# Altium PCB SMT 4.0.PcbDoc (part 1 of 3)
Units mm, origin at the board's own origin, x right, y up, seen from the top; angles counter-clockwise.
Board outline 220 x 90 mm, 2 copper layers (Top Layer, Bottom Layer); 192 components, 69 nets, 761 pads, 236 vias.
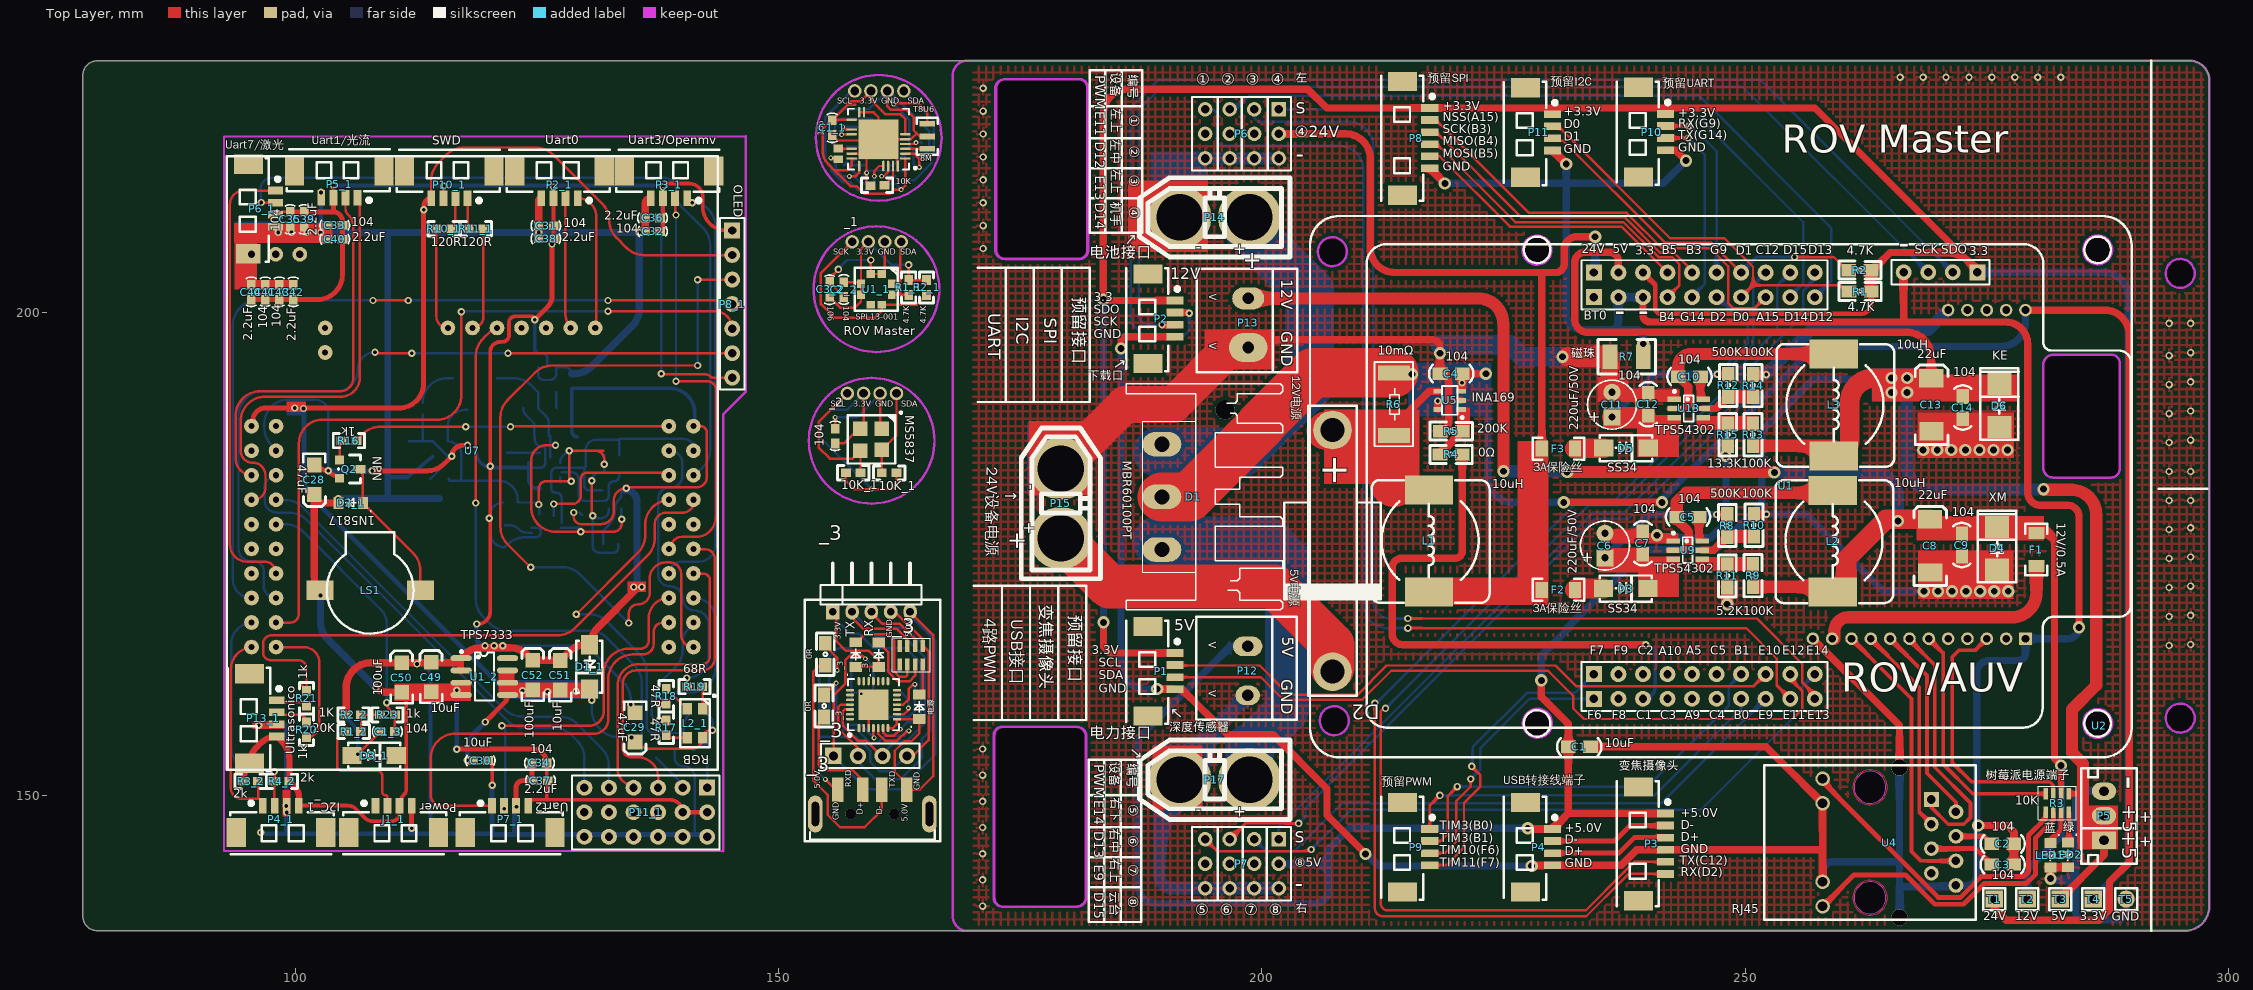
[diagram p0: Top Layer view]
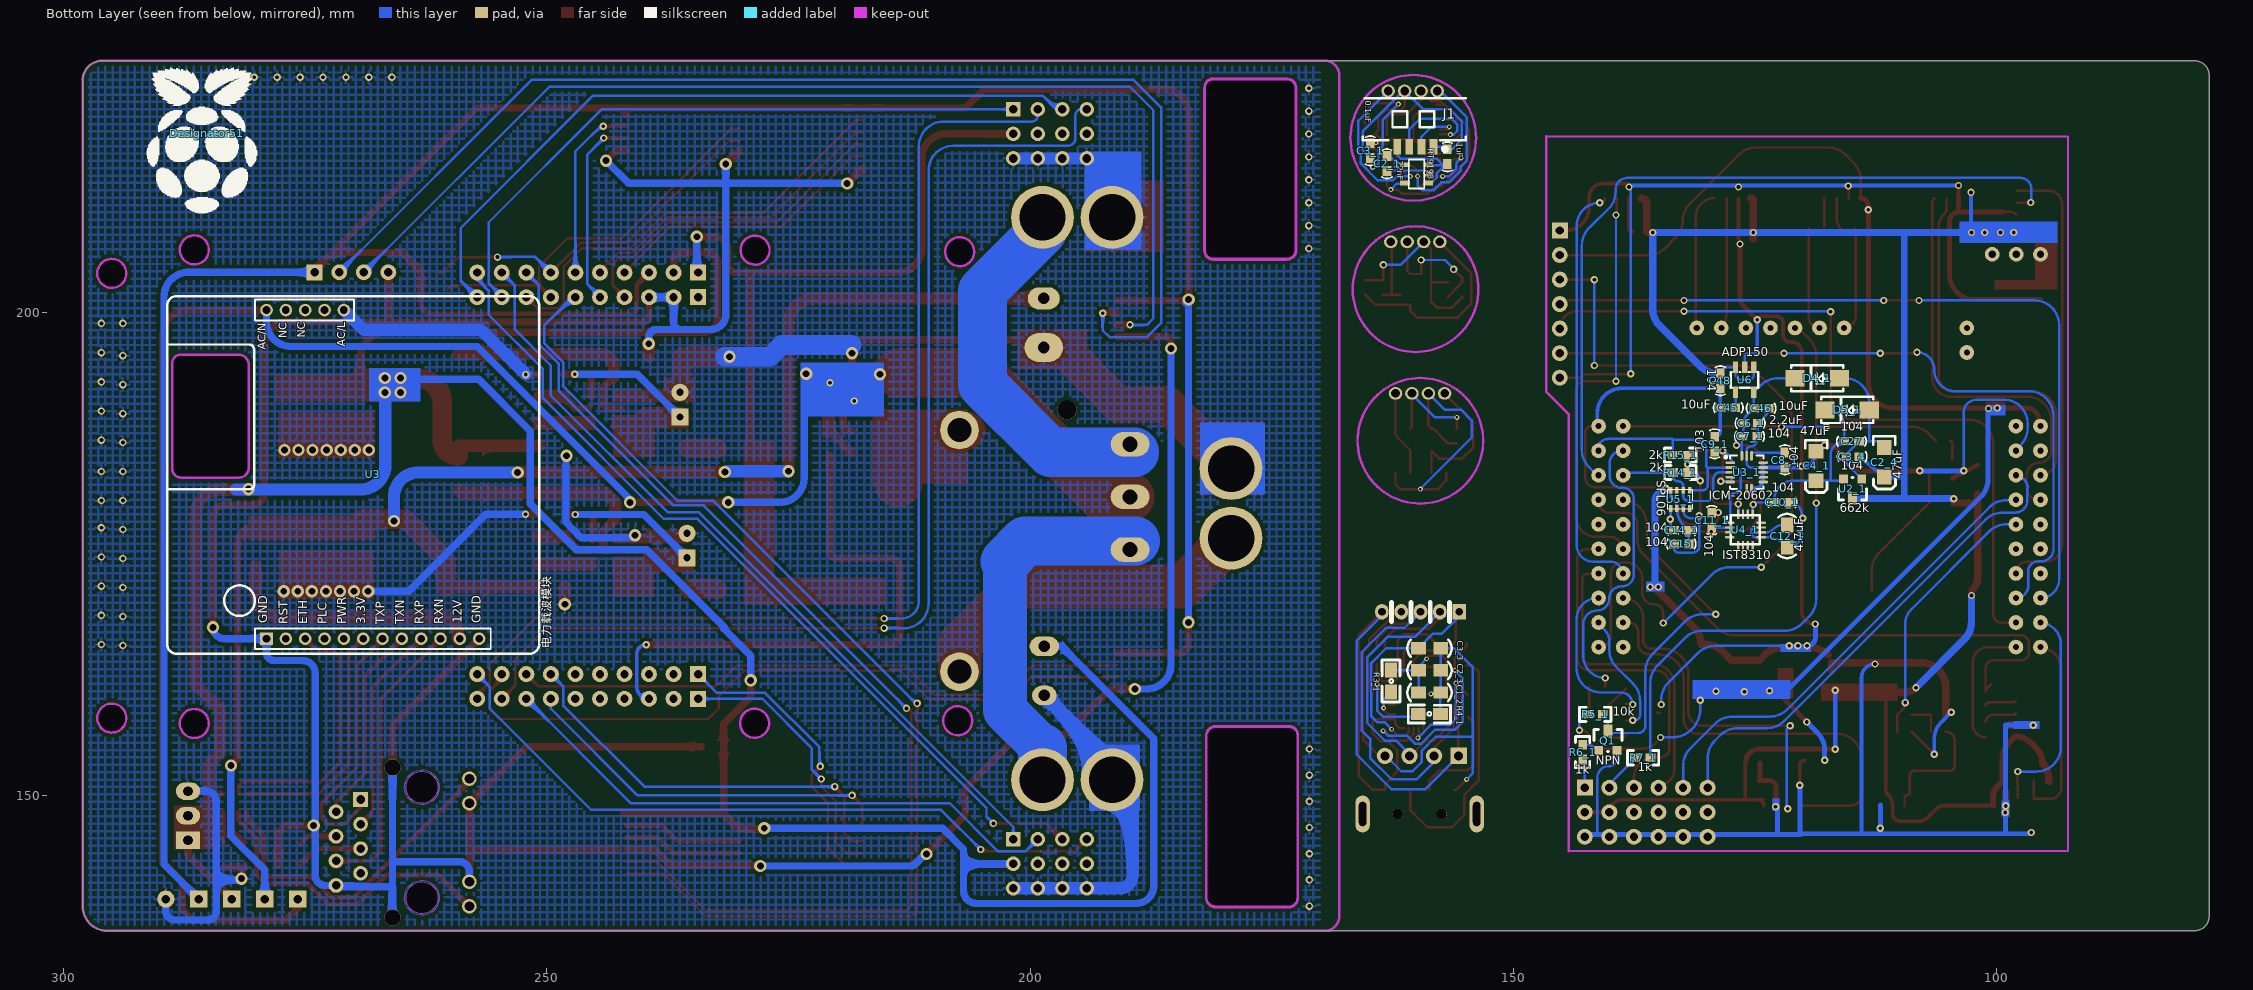
[diagram p1: Bottom Layer view, seen from below]

## Layer stack, top to bottom
Top Solder: solder mask 0.0102, Solder Resist, Dk 3.5
Top Layer: signal copper 0.0356
Dielectric 1: dielectric 0.32, FR-4, Dk 4.8
Bottom Layer: signal copper 0.0356
Bottom Solder: solder mask 0.0102, Solder Resist, Dk 3.5

## Board outline
79.5,136 cw(c79.5,137.5) 78,137.5 78,224.5 cw(c79.5,224.5) 79.5,226 296,226 cw(c296,224) 298,224 298,138.5 cw(c295.5,138.5) 295.5,136
cut-out: 293.5,204 ccw(c295,204) 295,202.5 ccw(c295,204) 296.5,204 ccw(c295,204) 295,205.5 ccw(c295,204)
cut-out: 293.5,158 ccw(c295,158) 295,156.5 ccw(c295,158) 296.5,158 ccw(c295,158) 295,159.5 ccw(c295,158)
cut-out: 172.191,139.367 172.191,156.259 cw(c172.318,156.259) 172.192,156.272 cw(c173.157,156.234) 173.157,157.2 180.828,157.2 cw(c180.828,156.147) 181.866,156.316 cw(c181.753,156.259) 181.88,156.259 181.88,139.434 cw(c180.813,139.434) 180.813,138.366 173.192,138.366 cw(c173.192,139.367)
cut-out: 173.415,205.385 cw(c173.415,206.438) 172.377,206.269 cw(c172.49,206.326) 172.363,206.326 172.363,223.151 cw(c173.43,223.151) 173.43,224.219 181.051,224.219 cw(c181.051,223.218) 182.052,223.218 182.052,206.326 cw(c181.925,206.326) 182.051,206.313 cw(c181.086,206.351) 181.086,205.385
cut-out: 205.975,157.725 cw(c207.475,157.725) 207.475,159.225 cw(c207.475,157.725) 208.975,157.725 cw(c207.475,157.725) 207.475,156.225 cw(c207.475,157.725)
cut-out: 205.782,206.296 ccw(c207.282,206.296) 207.282,204.796 ccw(c207.282,206.296) 208.782,206.296 ccw(c207.282,206.296) 207.282,207.796 ccw(c207.282,206.296)

## Design rules (kind name [scope] priority, off if disabled: settings)
Clearance [All] p1: gap=0.203
ComponentClearance [All] p1: gap=0 collisioncheckmode=3 verticalgap=0 showdistances=FALSE
DiffPairsRouting [All] p1: maxlimit=0.254 minlimit=0.254 mostfreqgap=0.254 toplayer_minwidth=0.381 toplayer_maxwidth=0.381 toplayer_prefwidth=0.381 bottomlayer_minwidth=0.381 bottomlayer_maxwidth=0.381 bottomlayer_prefwidth=0.381 maxuncoupledlength=12.7
PolygonConnect [All] p1: connectstyle=Relief reliefconductorwidth=0.254 reliefentries=4 polygonreliefangle="90 Angle" airgapwidth=0.254
RoutingVias [All] p1: holewidth=0.711 width=1.27 viastyle="Through Hole" minholewidth=0.711 minwidth=1.27 maxholewidth=0.711 maxwidth=1.27
SolderMaskExpansion [All] p1: expansion=0.102
Width [All] p1: maxlimit=5.08 minlimit=0.254 preferedwidth=0.254
28 further rules are at their usual default settings.

## Classes and differential pairs
component class "Robot-Control V4.0": C1 C2 C3 F1 LED1 LED2 P1 P2 P3 P4 P5 P6 P7 P8 P9 P10 P11 P12 P13 R1 R2 R3 U1 U2 U3 U4
component class "Robot-Power V4.0": C3 C5 C6 C7 C8 C9 C10 C11 C12 C13 C14 D1 D3 D4 D5 D6 F2 F3 L1 L2 L3 P14 P15 P17 R4 R5 R6 R7 R8 R9 R10 R11 R12 R13 R14 R15 T1 T2 T3 T4 T5 U5 U8 U9 U10 U11 U13 U?
differential pair EPHY_RX: +EPHY_RX_P -EPHY_RX_N
differential pair EPHY_TX: +EPHY_TX_P -EPHY_TX_N

## Components (designator, comment, footprint, x,y, rotation, side; value= is the part's Value field where it differs from the comment)
0R "0R" 0805R 154.834,163.572 r90 top
0R "0R" 0805R 154.706,158.221 r90 top
1uF "1uF" 0603C 149.655,214.384 r270 bottom (schematic designator C4)
8M "8M_XT_SMD3" 三脚贴片8M晶振1.5*3.5 167.159,216.848 r90 top (schematic designator XT1)
10K "10K" 0603R#1 159.464,213.159 r0 top (schematic designator R2)
10K_1 "4.2K" 0603R#2 158.426,183.363 r180 top (schematic designator R1)
10K_1 "4.2K" 0603R#2 160.712,183.388 r0 top (schematic designator R2)
104 "100uF" 0603C 148.673,188.875 r90 top (schematic designator C1)
_1 "连接端子" 连接端子 160.134,206.18 r0 top (schematic designator U3)
_2 "连接端子" 连接端子 159.642,190.501 r0 top (schematic designator U1)
_3 "CP2102" QFN-28 157.882,157.48 r90 top
_3 "Res-4" 排阻(4位贴片) 162.526,163.599 r90 top
_3 "LED" 0805LED(GREEN) 160.294,163.318 r90 top
_3 "LED" 0805LED(GREEN) 157.918,163.346 r90 top
_3 "USB-A" USB_A/P_B 163.231,150.583 r0 top
_3 "Pin HDR1X5" "Pin HDR1X5/2mm-W" 155.589,168.99 r0 top
_3 "Header 4" "Header 4(排母)" 155.624,154.067 r0 top
C1 "10uF" 0805C 233.858,155.042 r180 top
C1_1 "105" 0603C 162.703,217.387 r270 top (schematic designator C1)
C1_2 "226" 0805C 157.644,160.645 r0 bottom (schematic designator C1)
C1_3 "104" 0603C 107.85,149.441 r180 top (schematic designator C1)
C2 "104" 0805C 277.659,145 r180 top
C2_1 "22nF" 0603C 155.901,213.672 r270 bottom (schematic designator C2)
C2_2 "104" 0603C 149.571,204.021 r90 top (schematic designator C2)
C2_3 "104" 0805C 157.644,162.941 r0 bottom (schematic designator C2)
C2_4 "47uF" TAJ-A 111.609,182.944 r270 bottom (schematic designator C2)
C3 "104" 0805C 277.659,142.841 r180 top
C3_1 "0.1uF" 0603C 157.638,215.012 r270 bottom (schematic designator C3)
C3_2 "106" 0603C 162.423,200.642 r270 top (schematic designator C3)
C3_3 "104" 0805C 157.644,165.236 r0 bottom (schematic designator C3)
C3_4 "104" 0603C 113.26,192.215 r180 bottom (schematic designator C3)
C4 "104" 0805C 218.547,193.624 r0 top
C4_1 "47uF" TAJ-A 118.67,182.563 r270 bottom (schematic designator C4)
C5 "104" 0805C 243.052,178.791 r0 top
C6 "220uF/50V" RB.1.2 235.482,174.574 r90 top
C6_1 "2.2uF" 0603C 127.154,181.344 r0 bottom (schematic designator C6)
C7 "104" 0805C 239.394,177.114 r270 top
C7_1 "104" 0603C 127.23,179.972 r0 bottom (schematic designator C7)
C8 "22uF" TAJ-C 269.112,178.562 r90 top
C8_1 "104" 0603C 129.059,186.398 r90 bottom (schematic designator C8)
C9 "104" 0805C 272.414,174.879 r90 top
C9_1 "103" 0603C 136.323,188.049 r90 bottom (schematic designator C9)
C10 "104" 0805C 243.204,193.319 r0 top
C10_1 "104" 0603C 120.525,187.465 r180 bottom (schematic designator C10)
C11 "220uF/50V" RB.1.2 236.219,189.154 r90 top
C11_1 "104" 0603C 122.303,176.772 r270 bottom (schematic designator C11)
C12 "104" 0805C 239.953,191.491 r270 top
C12_1 "4.7uF" 0805C 121.668,175.807 r90 bottom (schematic designator C12)
C13 "22uF" TAJ-C 269.239,193.167 r90 top
C14 "104" 0805C 272.516,189.103 r90 top
C14_1 "104" 0603C 130.913,184.57 r180 bottom (schematic designator C14)
C15 "104" 0603C 134.317,168.847 r0 bottom
C27 "104" 0603C 116.689,179.464 r0 bottom
C28 "47uF" TAJ-A 101.957,181.141 r270 top
C29 "47uF" TAJ-A 135.13,155.512 r270 top
C30 "10uF" 0603C 117.451,146.444 r180 top
C31 "104" 0603C 124.233,201.765 r180 top
C32 "104" 0603C 135.257,201.181 r180 top
C33 "104" 0603C 102.389,201.816 r180 top
C34 "104" 0603C 126.925,160.516 r0 top
C35 "104" 0603C 106.605,207.912 r270 top
C36 "2.2uF" 0603C 135.257,202.578 r180 top
C37 "2.2uF" 0603C 127.027,158.687 r0 top
C38 "2.2uF" 0603C 124.233,200.419 r180 top
C39 "2.2uF" 0603C 108.053,207.912 r270 top
C40 "2.2uF" 0603C 102.389,200.394 r180 top
C41 "104" 0603C 89.714,203.772 r90 top
C42 "2.2uF" 0603C 92.61,203.772 r90 top
C43 "104" 0603C 91.162,203.772 r90 top
C44 "2.2uF" 0603C 88.267,203.772 r90 top
C45 "10uF" 0603C 126.087,197.27 r180 bottom
C46 "10uF" 0603C 126.036,182.893 r0 bottom
C48 "104" 0603C 135.739,194.577 r90 bottom
C49 "10uF" TAJ-A 114.048,163.767 r90 top
C50 "100uF" TAJ-A 111,163.716 r90 top
C51 "10uF" TAJ-A 127.408,163.945 r90 top
C52 "100uF" TAJ-A 124.563,163.97 r90 top
D1 "MBR60100PT" TO-247LS 196.2,189.875 r270 top
D1_1 "B340a" SMA/DO-214AC 130.38,165.421 r270 top (schematic designator D1)
D2 "二极管" 二极管(大功率) 207.3,172.8 r270 top
D2_1 "1N5817" 0805LED(BLUE) 106.859,180.201 r180 top (schematic designator D2)
D3 "SS34" SMA/DO-214AC 235.508,171.374 r0 top
D3_1 "B340a" SMA/DO-214AC 106.021,154.09 r0 top (schematic designator D3)
D4 "XM" SMBJ 276.097,173.355 r180 top
D4_1 "B340a" SMA/DO-214AC 116.435,193.18 r0 bottom (schematic designator D4)
D5 "SS34" SMA/DO-214AC 235.533,185.903 r0 top
D5_1 "B340a" SMA/DO-214AC 113.334,189.904 r0 bottom (schematic designator D5)
D6 "KE" SMBJ 276.326,188.112 r180 top
Designator51 "Comment" "Raspberry Pi LOGO" 285.2,218.5 r0 bottom
F1 "12V/0.5A" FUSE-1206 280.175,177.125 r270 top
F2 "3A保险丝" FUSE-1206 228.98,171.323 r0 top
F3 "3A保险丝" FUSE-1206 228.98,185.928 r0 top
J1 "MX1.25-4P" MX1.25-4P 84.708,240.611 r180 top
J1_1 "Power" MX1.25WS-4P#1 110.161,146.139 r0 top (schematic designator J1)
L1 "10uH" CDRH124 215.113,179.121 r270 top
L2 "10uH" CDRH124 256.896,179.095 r270 top
L2_1 "RGB" RGB-3528 140.57,155.995 r90 top (schematic designator L2)
L3 "10uH" CDRH124 256.997,193.192 r270 top
LED1 "蓝" 0805LED(RED) 281.7,144.998 r270 top
LED2 "绿" 0805LED(RED) 283.515,145.034 r270 top
LS1 "Buzzer" MLT-9032 107.723,171.235 r0 top
MS5837 "MS5837-02BA" MS5837-02BA 159.569,186.817 r0 top (schematic designator U2)
P1 "深度传感器" MX1.25WS-4P#2 188.265,167.513 r270 top
P2 "下载口" MX1.25WS-4P#2 188.265,203.987 r270 top
P2_1 "Uart0" MX1.25WS-4P#1 127.306,214.593 r180 top (schematic designator P2)
P3 "变焦摄像头" MX1.25WS-6P 239.014,150.8 r270 top
P3_1 "Uart3/Openmv" MX1.25WS-4P#1 138.635,214.593 r180 top (schematic designator P3)
P4 "USB转接线端子" MX1.25WS-4P#2 227.33,149.306 r270 top
P4_1 "I2C_1" MX1.25WS-4P#1 98.494,146.139 r0 top (schematic designator P4)
P5 "树莓派电源端子" XH3/2.54mm/180 287.2,145.4 r90 top
P5_1 "Uart1/光流" MX1.25WS-4P#1 104.539,214.618 r180 top (schematic designator P5)
P6 "左" "Header 4X3" 201.76,220.98 r180 top
P6_1 "Uart7/激光" MX1.25WS-4P#3 95.125,210.681 r270 top (schematic designator P6)
P7 "右" "Header 4X3" 201.76,145.466 r180 top
P7_1 "Uart2" MX1.25WS-4P#1 122.217,146.139 r0 top (schematic designator P7)
P8 "预留SPI" MX1.25WS-6P 214.63,223.799 r270 top
P8_1 "OLED" "Header 7" 145.188,200.8 r0 top (schematic designator P8)
P9 "预留PWM" MX1.25WS-4P#2 214.63,149.306 r270 top
P10 "预留UART" MX1.25WS-4P#2 239.014,223.291 r270 top
P10_1 "SWD" MX1.25WS-4P#1 115.918,214.593 r180 top (schematic designator P10)
P11 "预留I2C" MX1.25WS-4P#2 227.33,223.266 r270 top
P11_1 "Header 6x3" "Hearder 6x3" 142.597,150.795 r270 top (schematic designator P11)
P12 "5V电源" KF128-2P#1 198.501,165.557 r270 top
P13 "12V电源" KF128-2P#2 198.55,201.55 r270 top
P13_1 "Ultrasonico" MX1.25WS-4P#1 95.252,157.96 r270 top (schematic designator P13)
P14 "电池接口" XT60-F 199.2,209.8 r180 top
P15 "24V设备电源" XT60-F 179.197,176.124 r90 top
P17 "电力接口" XT60-F 199.2,151.613 r180 top
Q1 "NPN" SOT-23 141.099,154.775 r180 bottom
Q2 "NPN" SOT-23 104.7,184.646 r270 top
R1 "4.7K" 0805R 262.915,202.159 r180 top
R1_1 "4.7K" 0603R#2 163.465,203.259 r270 top (schematic designator R1)
R1_2 "20K" 0603R#2 105.31,156.63 r0 top (schematic designator R1)
R2 "4.7K" 0805R 262.89,204.368 r180 top
R2_1 "4.7K" 0603R#2 165.319,203.259 r270 top (schematic designator 4.7k)
R2_2 "1K" 0603R#2 106.732,158.306 r180 top (schematic designator R2)
R3 "10K" 排阻(4位贴片) 283.464,150.114 r270 top
R3_1 "4.7K" 0805R 162.625,160.804 r90 bottom (schematic designator R3)
R3_2 "2k" 0603R#2 96.09,151.423 r180 top (schematic designator R3)
R4 "0Ω" 0805R 220.6,185.3 r180 top
R4_1 "4.7K" 0805R 157.656,158.439 r0 bottom (schematic designator R4)
R4_2 "2k" 0603R#2 97.893,151.473 r0 top (schematic designator R4)
R5 "200K" 0805R 220.605,187.706 r180 top
R5_1 "10k" 0603R#2 140.794,158.357 r0 bottom (schematic designator R5)
R6 "10mΩ" 2512R 213.67,187.274 r90 top
R6_1 "1k" 0603R#2 142.851,153.759 r90 bottom (schematic designator R6)
R7 "磁珠" 1210R 236.017,195.377 r0 top
R7_1 "1k" 0603R#2 137.289,153.912 r180 bottom (schematic designator R7)
R8 "500K" 0805R 248.157,176.886 r90 top
R9 "100K" 0805R 250.773,173.761 r270 top
R10 "100K" 0805R 250.875,178.968 r270 top
R10_1 "120R" 0603R#2 116.054,208.598 r180 top (schematic designator R10)
R11 "5.2K" 0805R 248.157,171.679 r90 top
R11_1 "120R" 0603R#2 117.959,208.649 r0 top (schematic designator R11)
R12 "500K" 0805R 248.259,191.389 r90 top
R13 "100K" 0805R 250.773,188.341 r270 top
R14 "100K" 0805R 250.799,193.421 r270 top
R14_1 "2k" 0603R#2 133.428,183.427 r180 bottom (schematic designator R14)
R15 "13.3K" 0805R 248.208,186.284 r90 top
R15_1 "2k" 0603R#2 133.453,185.23 r180 bottom (schematic designator R15)
R16 "1k" 0603R#2 106.25,186.678 r180 top
R17 "47R" 0603R#2 138.33,156.274 r90 top
R18 "47R" 0603R#2 138.381,160.973 r270 top
R19 "68R" 0603R#2 142.013,161.227 r180 top
R20 "1k" 0603R#2 101.17,157.493 r270 top
R21 "1k" 0603R#2 101.119,159.322 r90 top
R23 "1k" 0603R#2 110.238,158.306 r180 top
RT9193 "RT9193" RT9193 158.809,213.343 r270 bottom (schematic designator U2)
T1 "24V" "HEADER 1"#1 275.895,139.268 r0 top
T2 "12V" "HEADER 1"#1 279.305,139.268 r0 top
T3 "5V" "HEADER 1"#1 282.715,139.268 r0 top
T4 "3.3V" "HEADER 1"#1 286.125,139.268 r0 top
T5 "GND" "HEADER 1"#2 289.535,139.268 r0 top
T8U6 "STM32F103T8U6" QFN-36B6R00x6R00 160.322,217.892 r180 top locked (schematic designator U1)
U1 "ROV/AUV" ROV_CONTROLLER 247.091,183.896 r0 top locked
U1_1 "SPL13-001" SPL13-001 160.163,202.547 r0 top (schematic designator U1)
U1_2 "TPS7333" SOP-8 117.185,164.173 r0 top (schematic designator U1)
U2 "" "Raspberry Pi 外框" 286.639,157.226 r180 top locked
U2_1 "662k" SOT-23 114.01,182.61 r0 bottom (schematic designator U2)
U3 "连接端子" 连接端子 160.4,221.792 r0 top
U3 "电力载波模块" 电力载波模块6410 289.281,165.151 r90 bottom locked
U3_1 "ICM-20602" LGA-16 125.898,183.442 r180 bottom (schematic designator U3)
U4 "SWD下载口" SWD下载口 155.401,215.896 r180 top
U4 "RJ45" RJ45 262.89,139.192 r90 top
U4_1 "IST8310" LGA16 125.909,177.559 r180 bottom (schematic designator U4)
U5 "INA169" SOT23-5 220.681,189.967 r90 top
U5_1 "SPL06" LGA8 132.844,180.582 r90 bottom (schematic designator U5)
U6 "ADP150" SOT-23-5 126.087,193.094 r0 bottom
U7 "TM4C" TM4C底板 118.315,188.202 r0 top locked
U9 "TPS54302" SOT23-6 242.594,176.352 r0 top
U13 "TPS54302" SOT23-6 242.696,191.008 r0 top
电源 "LED" 0805LED(GREEN) 164.499,157.958 r90 top

## Footprints (in the part's own frame and the unit in brackets; to place one, negate y for a bottom-side part, rotate by r counter-clockwise, add the part's x,y. Pads: shape width x height; smd on the part's side, far side on the other; paste and mask are expansions set on the pad)
0603C [mil]
  rect 40x35 smd: 1(-97,-282) 2(-37,-282)
  silkscreen extent -126,-302 -6,-262, body extent -117,-299 -14,-260, height 35
0603R#1 [mil]
  rect 40x35 smd: 1(0.97,-4.2) 2(58,-1)
  silkscreen extent -35,-30 92,28, body extent -5,-17 61,15, height 22
0603R#2 [mil]
  rect 40x35 smd: 1(-2,-1) 2(58,-1)
  silkscreen extent -35,-30 92,28, body extent -5,-17 61,15, height 22
0805C [mil]
  rect 60x50 smd: 1(-5,0) 2(85,0)
  silkscreen extent -50,-35 131,36, body extent -16,-26 102,29, height 37
0805LED(BLUE) [mil]
  rect 40x50 smd: 1(-4.95,-2) 2(95.05,-2)
  silkscreen extent -39,-22 68,33, body extent 3,-29 85,25, height 31
0805LED(GREEN) [mil]
  rect 40x50 smd: 1(-2,-2) 2(98,-2)
  silkscreen extent -36,-22 71,33, body extent 7,-27 87,23, height 43
0805LED(RED) [mil]
  rect 40x50 smd: 1(-2.98,-4.95) 2(97.02,-4.95)
  silkscreen extent -37,-25 70,31, body extent 13,-25 80,11, height 35
0805R [mil]
  rect 60x50 smd: 1(-4.51,1.2) 2(85.49,1.2)
  silkscreen extent -46,-36 126,37, body extent -1,-23 78,26, height 18
1210R [mil]
  rect 60x100 smd: 1(0,0) 2(135,0)
  silkscreen extent -50,-70 185,70, body extent -12,-49 146,49, height 67
2512R [mil]
  rect 61x129.92 smd: 1(-1.11,1) 2(253.89,1)
  silkscreen extent -45,-78 298,80, body extent 2,-64 251,62, height 24
CDRH124 [mm]
  rect 3x5 smd: 1(-2.469,2.159) 2(8.057,2.159)
  silkscreen extent -3.51,-3.76 9.19,8.43, body extent -3.11,-3.77 8.89,8.23, height 4.55
FUSE-1206 [mil]
  rect 50x65 smd: 1(-1,-2) 2(134,-2)
  silkscreen extent -39,-47 172,43, body extent 1,-36 127,28, height 34
"HEADER 1"#1 [mil]
  rect 70x70 hole 35: 1(-5,0)
  silkscreen extent -50,-45 40,44
"HEADER 1"#2 [mil]
  round 70 hole 35: 1(-5,0)
  silkscreen extent -50,-45 40,44
"Header 4(排母)" [mm]
  rect 1.7x1.7 hole 0.9: 1(0.035,0.015)
  round 1.7 hole 0.9: 2(2.575,0.015) 3(5.115,0.015) 4(7.655,0.015)
  silkscreen extent -1.23,-1.25 8.93,1.29, body extent -1.23,-1.25 8.93,1.29, height 8.5
"Header 4X3" [mm]
  rect 1.5x1.5 hole 0.9: 1(0.025,0)
  round 1.5 hole 0.9: 2(0.025,2.54) 3(0.025,5.08) 4(2.565,0) 5(2.565,2.54) 6(2.565,5.08) 7(5.105,0) 8(5.105,2.54) 9(5.105,5.08) 10(7.645,0) 11(7.645,2.54) 12(7.645,5.08)
  silkscreen extent -1.24,-1.27 9,6.35, body extent -1.24,-1.27 8.92,6.35, height 7.58
"Header 7" [mil]
  rect 65x65 hole 34: 1(0,301)
  round 65 hole 34: 2(0,201) 3(0,101) 4(0,1) 5(0,-98.8) 6(0,-198.8)
  round 65 hole 34 paste+0: 7(0,-298.61)
  silkscreen extent -50,-347 50,351, body extent -50,-349 50,351, height 336
"Hearder 6x3" [mil]
  rect 65x65 hole 34: 1(0,0)
  round 65 hole 34: 2(100,0) 3(0,-100) 4(100,-100) 5(0,-200) 6(100,-200) 7(0,-300) 8(100,-300) 9(0,-400) 10(100,-400) 11(0,-500) 12(100,-500) 13(200,0) 14(200,-100) 15(200,-200) 16(200,-300) 17(200,-400) 18(200,-500)
  silkscreen extent -50,-550 251,50, body extent -48,-554 251,48, height 338
KF128-2P#1 [mil]
  oval 80x120 hole 47.24: 1(5.28,0.94)
  oval 80x100 hole 47.24: 2(205.28,0.94)
  silkscreen extent -115,-208 305,201, body extent -115,-211 305,203, height 557
KF128-2P#2 [mil]
  oval 90x130 hole 47.24: 1(5.28,0.94)
  oval 118.11x157.48 hole 47.24: 2(205.28,0.94)
  silkscreen extent -115,-208 305,201, body extent -115,-211 305,203, height 557
LGA8 [mm]
  rect 0.7x0.351 smd: 1(0.998,0.877) 2(0.998,0.227) 3(0.998,-0.433) 4(0.998,-1.083) 5(-0.907,-1.083) 6(-0.907,-0.433) 7(-0.907,0.227) 8(-0.907,0.877)
  silkscreen extent -0.97,-1.39 1.5,1.45
LGA16 [mm]
  oval 1.016x0.25 smd: 1(-1.701,0.652) 2(-1.701,0.152) 3(-1.701,-0.348) 4(-1.701,-0.848) 9(1.553,-0.848) 10(1.553,-0.348) 11(1.553,0.152) 12(1.553,0.652)
  oval 0.25x1.016 smd: 5(-0.825,-1.726) 6(-0.325,-1.726) 7(0.175,-1.726) 8(0.675,-1.726) 13(0.675,1.528) 14(0.175,1.528) 15(-0.325,1.528) 16(-0.825,1.528)
  silkscreen extent -2.23,-1.6 1.43,1.4
LGA-16 [mil]
  oval 40x11.02 smd: 1(-65.02,38.76) 2(-65.02,19.07) 3(-65.02,-0.61) 4(-65.02,-20.3) 5(-65.02,-39.98) 9(69.02,-39.98) 10(69.02,-20.3) 11(69.02,-0.61) 12(69.02,19.07) 13(69.02,38.76)
  oval 11.02x40 smd: 7(2,-67.63) 8(21.69,-67.63) 14(21.69,66.41) 15(2,66.41) 16(-17.68,66.41)
  silkscreen extent -89,-69 70,67
MLT-9032 [mm]
  rect 2.8x2 smd: 1(-5.2,0) 2(5.2,0)
  silkscreen extent -4.5,-4.5 4.5,6, body extent -6.83,-5.94 6.86,7.75, height 7.59
MS5837-02BA [mm]
  rect 1.5x1.5 smd: 1(1.092,1.118) 2(-1.108,1.118) 3(-1.108,-1.168) 4(1.092,-1.082)
  silkscreen extent -2.41,-2.48 3.17,2.88
MX1.25-4P [mm]
  rect 2x0 smd far side: 0(-80.07,20.701)
  rect 0x0 smd far side: 0(-70.806,20.701)
  rect 0.8x1.6 smd far side: 1(-73.549,23.512) 2(-74.799,23.512) 3(-76.049,23.512) 4(-77.299,23.512)
  body extent -80.44,18.74 -70.29,23.93, height 3.4
MX1.25WS-4P#1 [mm]
  rect 2x3 smd: 0(-4.632,0) 0(4.632,0)
  rect 0.8x1.6 smd: 1(-1.889,2.811) 2(-0.639,2.811) 3(0.611,2.811) 4(1.861,2.811)
  silkscreen extent -5.23,-2.23 5.45,3.25, body extent -5.15,-1.96 5,3.23, height 3.4
MX1.25WS-4P#2 [mm]
  rect 2x3 smd: 0(0.042,-0.076) 0(9.306,-0.076)
  rect 0.8x1.778 smd: 1(2.785,2.734) 2(4.035,2.734) 3(5.285,2.734) 4(6.535,2.734)
  silkscreen extent -0.56,-2.3 10.12,3.17, body extent -0.47,-2.04 9.68,3.15, height 3.4
MX1.25WS-4P#3 [mm]
  rect 2x3 smd: 0(-4.632,0)
  rect 2x2.54 smd: 0(4.632,0)
  rect 0.8x1.6 smd: 1(-1.889,2.811) 2(-0.639,2.811) 3(0.611,2.811) 4(1.861,2.811)
  silkscreen extent -5.23,-2.23 5.45,3.25, body extent -5.15,-1.96 5,3.23, height 3.4
MX1.25WS-6P [mm]
  rect 2x3 smd: 0(-0.065,-0.076) 0(11.699,-0.076)
  rect 0.8x1.778 smd: 1(2.678,2.734) 2(3.928,2.734) 3(5.178,2.734) 4(6.428,2.734) 5(7.678,2.734) 6(8.928,2.734)
  silkscreen extent -0.67,-2.3 12.27,3.17, body extent -0.43,-2.29 12.22,2.9, height 3.4
"Pin HDR1X5/2mm-W" [mm]
  rect 1.4x1.6 hole 0.8: 1(0,0)
  oval 1.4x1.6 hole 0.8: 2(2,0) 3(4,0) 4(6,0) 5(8,0)
  silkscreen extent -1.27,0.75 9.2,5, body extent -0.95,-0.32 9,6.93, height 2
QFN-28 [mm] "CP2102  USB转串口芯片"
  rect 3.13x3.13 smd mask+0.051: 0(1.909,-1.918)
  oval 0.85x0.28 smd mask+0.051: 1(-0.516,-0.418) 2(-0.516,-0.918) 3(-0.516,-1.418) 4(-0.516,-1.918) 5(-0.516,-2.418) 6(-0.516,-2.918) 7(-0.516,-3.418) 15(4.334,-3.418) 16(4.334,-2.918) 17(4.334,-2.418) 18(4.334,-1.918) 19(4.334,-1.418) 20(4.334,-0.918) 21(4.334,-0.418)
  oval 0.28x0.85 smd mask+0.051: 8(0.409,-4.343) 9(0.909,-4.343) 10(1.409,-4.343) 11(1.909,-4.343) 12(2.409,-4.343) 13(2.909,-4.343) 14(3.409,-4.343) 22(3.409,0.507) 23(2.909,0.507) 24(2.409,0.507) 25(1.909,0.507) 26(1.409,0.507) 27(0.909,0.507) 28(0.409,0.507)
  silkscreen extent -1.39,-4.57 4.56,0.73, body extent -0.58,-4.42 4.42,0.58, height 1
QFN-36B6R00x6R00 [mm] "QFN, 36-Leads, Body 6.00x6.00mm, Pitch 0.50mm, Thermal Pad 4.10x4.10mm, IPC Medium Density"
  oval 1.1x0.25 smd: 1(-2.775,2) 2(-2.775,1.5) 3(-2.775,1) 4(-2.775,0.5) 5(-2.775,0) 6(-2.775,-0.5) 19(2.775,-2) 21(2.775,-1) 22(2.775,-0.5) 25(2.775,1) 26(2.775,1.5) 27(2.775,2)
  oval 0.25x1.1 smd: 17(1.5,-2.775) 18(2,-2.775) 28(2,2.775) 33(-0.5,2.775) 34(-1,2.775) 35(-1.5,2.775) 36(-2,2.775)
  rect 4.1x4.1 smd: 37(0,0)
  silkscreen extent -3.93,-3.15 3.15,3.15, body extent -3.05,-3.05 3.05,3.05, height 0.9
"Raspberry Pi LOGO" [mm]
  silkscreen extent -5.23,-6.73 6.2,8.28
"Raspberry Pi 外框" [mm]
  Keep-Out Layer circle w0.254: c58.14,-0.237 r1.5
  Keep-Out Layer circle w0.254: c58.191,-49.183 r1.5
  Keep-Out Layer circle w0.254: c0.177,-49.208 r1.5
  Keep-Out Layer circle w0.254: c0.177,-0.212 r1.5
  Keep-Out Layer board cut-out: 56.64,-0.237 56.754,0.337 57.079,0.824 57.566,1.149 58.14,1.263 58.14,1.263 58.714,1.149 59.201,0.824 59.526,0.337 59.64,-0.237 59.64,-0.237 59.526,-0.811 59.201,-1.298 58.714,-1.623 58.14,-1.737 58.14,-1.737 57.566,-1.623 57.079,-1.298 56.754,-0.811 56.64,-0.237
  Keep-Out Layer board cut-out: 56.691,-49.183 56.805,-48.609 57.13,-48.122 57.617,-47.797 58.191,-47.683 58.191,-47.683 58.765,-47.797 59.251,-48.122 59.577,-48.609 59.691,-49.183 59.691,-49.183 59.577,-49.757 59.251,-50.244 58.765,-50.569 58.191,-50.683 58.191,-50.683 57.617,-50.569 57.13,-50.244 56.805,-49.757 56.691,-49.183
  Keep-Out Layer board cut-out: -1.323,-49.208 -1.209,-48.634 -0.884,-48.148 -0.397,-47.822 0.177,-47.708 0.177,-47.708 0.751,-47.822 1.238,-48.148 1.563,-48.634 1.677,-49.208 1.677,-49.208 1.563,-49.782 1.238,-50.269 0.751,-50.594 0.177,-50.708 0.177,-50.708 -0.397,-50.594 -0.884,-50.269 -1.209,-49.782 -1.323,-49.208
  Keep-Out Layer board cut-out: -1.323,-0.212 -1.209,0.362 -0.884,0.849 -0.397,1.174 0.177,1.288 0.177,1.288 0.751,1.174 1.238,0.849 1.563,0.362 1.677,-0.212 1.677,-0.212 1.563,-0.786 1.238,-1.272 0.751,-1.597 0.177,-1.712 0.177,-1.712 -0.397,-1.597 -0.884,-1.272 -1.209,-0.786 -1.323,-0.212
  silkscreen extent -3.33,-52.72 81.67,3.28
RB.1.2 [mil]
  rect 70x70 hole 30: 1(0,0)
  round 70 hole 30: 2(100,0)
  silkscreen extent -50,-100 150,100, body extent -28,-73 130,85, height 278
RGB-3528 [mm]
  rect 1.2x1 smd: 1(-0.029,0.03) 2(-0.029,-1.57) 3(2.971,0.03) 4(2.971,-1.57)
  silkscreen extent -1.01,-2.87 4.42,0.76, body extent -0.32,-2.2 3.18,0.6, height 1.9
RJ45 [mm]
  rect 1.524x1.524 hole 0.889: 1(10.38,-6.369)
  round 1.524 hole 0.889: 2(9.11,-8.909) 3(7.84,-6.369) 4(6.57,-8.909) 5(5.3,-6.369) 6(4.03,-8.909) 7(2.76,-6.369) 8(1.49,-8.909)
  round 1.5 hole 1.02: 9(12.53,4.881) 10(9.994,4.881) 11(1.866,4.881) 12(-0.67,4.881)
  round 1.7 hole 1.65: 13(13.68,-3.067) 14(-1.82,-3.067)
  round 2.95 hole 3.25: MH3(0.214,-0.032) MH3(11.644,-0.032)
  Keep-Out Layer circle w0.051: c0.216,-0.019 r1.65
  Keep-Out Layer circle w0.051: c11.646,-0.019 r1.65
  Multi-Layer circle w0.127: c11.644,-0.032 r1.798
  Multi-Layer circle w0.127: c0.214,-0.032 r1.798
  silkscreen extent -2.07,-10.94 13.93,10.9, body extent -2.09,-10.6 13.79,10.8, height 14
ROV_CONTROLLER [mil]
  rect 65x65 hole 34: 1(-502.07,694.74) 20(-502.07,795.13) 41(-502.07,-941.03) 60(-502.07,-840.64) 61(1059.8,796.2)
  round 65 hole 34: 2(-402.07,694.74) 3(-302.07,694.74) 4(-202.07,694.74) 5(-102.27,694.74) 6(-2.27,694.74) 8(197.54,694.74) 10(397.93,694.74) 11(397.93,795.13) 13(197.54,795.13) 15(-2.27,795.13) 16(-102.27,795.13) 17(-202.07,795.13) 18(-302.07,795.13) 19(-402.07,795.13) 42(-402.07,-941.03) 43(-302.07,-941.03) 44(-202.07,-941.03) 45(-102.27,-941.03) 46(-2.27,-941.03) 48(197.54,-941.03) 50(397.93,-941.03) 51(397.93,-840.64) 53(197.54,-840.64) 55(-2.27,-840.64) 56(-102.27,-840.64) 57(-202.07,-840.64) 58(-302.07,-840.64) 59(-402.07,-840.64) 62(959.8,796.2) 63(859.8,796.2) 64(759.8,796.2)
  round 65 hole 34 paste+0: 7(97.54,694.74) 9(297.93,694.74) 12(297.93,795.13) 14(97.54,795.13) 47(97.54,-941.03) 49(297.93,-941.03) 52(297.93,-840.64) 54(97.54,-840.64)
  silkscreen extent -1427,-1058 1685,910, body extent -561,-989 1109,844, height 335
RT9193 [mm]
  rect 0.5x1 smd: 1(0,0) 2(-0.95,0) 3(-1.9,0) 4(-1.9,-2.4) 5(0,-2.4)
  silkscreen extent -2.45,-2 0.55,-0.4, body extent -2.4,-2.6 0.5,0.2, height 1.09
SMA/DO-214AC [mm]
  rect 2x1.75 smd: 1(-0.178,0.025) 2(4.422,0.025)
  silkscreen extent -0.58,-1.32 4.82,1.38, body extent -0.38,-1.32 4.73,1.35, height 2.12
SMBJ [mil] "TVS瞬态抑制二极管"
  rect 98x90 smd: 1(1.65,0.6) 2(1.65,-174.4)
  silkscreen extent -77,-240 80,52, body extent -50,-196 55,5, height 83
SOP-8 [mm]
  oval 2.2x0.6 smd: 1(-0.038,0.025) 2(-0.038,-1.245) 3(-0.038,-2.515) 4(-0.038,-3.785) 5(4.762,-3.785) 6(4.762,-2.515) 7(4.762,-1.245) 8(4.762,0.025)
  silkscreen extent -0.12,-4.38 3.37,0.82, body extent -0.62,-4.33 5.38,0.58, height 1.7
SOT23-5 [mm]
  rect 0.5x1 smd: 1(-0.051,0.051) 2(0.899,0.051) 3(1.849,0.051) 4(1.849,2.451) 5(-0.051,2.451)
  silkscreen extent -0.99,-0.15 2.4,2.05, body extent -0.55,-0.15 2.35,2.65, height 1.09
SOT23-6 [mm]
  rect 1.4x0.55 smd: 1(-0.051,-0.025) 2(-0.051,-0.975) 3(-0.051,-1.925) 4(2.949,-1.925) 5(2.949,-0.975) 6(2.949,-0.025)
  silkscreen extent -0.15,-2.31 1.96,0.91, body extent 0.07,-2.47 2.88,0.53, height 1.15
SOT-23 [mil]
  rect 36x36 smd: 1(-2.52,-5.16) 2(72.48,-5.16)
  rect 36x50 smd: 3(35.48,74.84)
  silkscreen extent -23,-10 92,80, body extent -22,-18 92,92, height 47
SOT-23-5 [mil]
  rect 21.7x47.2 smd: 1(-38,-46.99) 2(-1,-46.99) 3(36,-46.99) 4(36,55.01) 5(-38,55.01)
  silkscreen extent -57,-28 55,36
SPL13-001 [mm]
  rect 0.9x0.8 smd: 1(0.508,1.397) 2(-0.635,1.397) 5(-0.635,-1.778) 6(0.508,-1.778)
  rect 0.8x0.9 smd: 3(-1.651,0.381) 4(-1.651,-0.762) 8(1.524,0.381)
  rect 0.8x0.9 smd paste+0: 7(1.524,-0.762)
  silkscreen extent -2.29,-2.41 2.16,2.03
SWD下载口 [mm]
  rect 1x0.8 smd: 1(-0.762,0.076) 2(-0.762,-1.041)
TAJ-A [mil]
  rect 60x60 smd: 1(0,0) 2(-120,0)
  silkscreen extent -165,-45 49,45, body extent -125,-31 9,32, height 65
TAJ-C [mm]
  rect 1.905x2.5 smd: 1(0,0) 2(-5.505,-0.025)
  silkscreen extent -6.86,-1.73 1.35,1.65, body extent -5.77,-1.68 0.22,1.52, height 2.6
TM4C底板 [mil]
  round 60 hole 30: 0(-801.57,700) 0(-703.15,700) 67(-900,700)
  round 60 hole 25: 0(-800,0) 0(200,400) 0(300,400) 1(900,-600) 4(900,-500) 5(800,-900) 6(-800,-800) 7(-800,-700) 8(-800,-600) 9(900,-200) 10(800,-800) 13(800,-600) 14(800,-500) 15(800,-400) 16(800,-300) 17(400,400) 18(500,400) 19(900,-900) 20(900,-800) 21(900,-700) 22(-900,-700) 23(-900,-800) 24(-900,-900) 28(900,-300) 29(-800,-900) 30(800,0) 31(800,-100) 38(900,-400) 43(-600,400) 44(-600,300) 45(-900,-200) 46(-900,-300) 47(900,-100) 48(800,-200) 49(100,400) 51(0,400) 52(-100,400) 53(800,-700) 57(-900,-100) 58(-900,-600) 59(-900,-400) 60(-900,-500) 61(-800,-200) 62(-800,-300) 63(-800,-400) 64(-800,-500) 65(-900,0) 66(-800,-100) 66(900,0)
  silkscreen extent -1000,-1400 1000,1100, body extent -952,-953 951,450, height 336
TO-247LS [mm]
  round 2 hole 2: 0(-0.008,-0.02)
  round 0 all layers, no hole: 0(17.992,-0.02)
  oval 2.54x4 hole 1.575: 1(3.542,-6.552) 2(8.992,-6.552) 3(14.442,-6.552)
  silkscreen extent -2.71,-10.25 20.69,5.95, body extent -2.46,-10.33 20.44,6.07, height 30.62
USB_A/P_B [mm]
  oval 1.524x3.81 hole 0.762 slot 2.5 at 90 deg: 0(-9.443,-2.508) 0(2.357,-2.508)
  round 1.1 hole 1.1: 0(-5.793,-2.508) 0(-1.293,-2.508)
  rect 1.2x2.5 smd: 1(0,0) 2(-2.556,0) 3(-4.556,0) 4(-7.112,0)
  silkscreen extent -9.99,-5.18 2.91,-4.21, body extent -9.91,-20.46 3.04,0.14, height 3.25
XH3/2.54mm/180 [mm]
  rect 1.8x2.5 hole 1: 1(-0.045,0.08)
  oval 1.8x2.5 hole 1: 2(2.495,0.08) 3(5.035,0.08)
  silkscreen extent -2.5,-3.32 7.4,2.43, body extent -2.5,-3.32 7.4,2.43, height 7
XT60-F [mm]
  round 6.5 hole 4.8: 1(0.489,0) 2(7.689,0)
  silkscreen extent -3.71,-4.1 11.89,4.1, body extent -3.81,-4.06 12.09,4.09, height 16.5
三脚贴片8M晶振1.5*3.5 [mm]
  rect 0.6x1.6 smd: 1(0.05,1.8) 2(2.65,1.8) 3(1.325,1.8)
  silkscreen extent -0.55,0.73 3.25,2.87
二极管(大功率) [mm]
  round 4 hole 2.5: 1(-15,0) 2(10,0)
  silkscreen extent -17.5,-5 12.5,5
排阻(4位贴片) [mm]
  rect 1.22x0.45 smd: 1(-0.051,0.013) 2(1.869,0.013) 3(-0.051,-0.787) 4(1.869,-0.787) 5(-0.051,-1.587) 6(1.869,-1.587) 7(-0.051,-2.387) 8(1.869,-2.387)
  silkscreen extent -0.81,-3.14 2.64,0.76, body extent 0.1,-2.79 1.7,0.41, height 0.59
电力载波模块6410 [mm]
  round 1.3 hole 0.8: 0(35.059,-16.289) 2(1.059,-12.289) 3(1.059,-14.289) 4(1.059,-16.289) 5(1.059,-18.289) 6(1.059,-20.289) 7(1.059,-22.289) 8(1.059,-24.289) 9(1.059,-26.289) 10(1.059,-28.289) 11(1.059,-30.289) 12(1.059,-32.289) 13(35.059,-18.289) 14(35.059,-14.289) 15(35.059,-12.289) 16(35.059,-10.289)
  rect 1.3x1.3 hole 0.8: 1(1.059,-10.289)
  Keep-Out Layer board cut-out: 17.729,-7.417 17.729,-1.46 17.8,-1.106 18.001,-0.805 18.301,-0.604 18.656,-0.533 18.656,-0.533 29.567,-0.533 29.567,-0.533 29.998,-0.649 30.314,-0.965 30.429,-1.396 30.429,-1.396 30.429,-7.404 30.349,-7.808 30.121,-8.15 29.779,-8.378 29.375,-8.458 29.375,-8.458 18.771,-8.458 18.372,-8.379 18.034,-8.153 17.808,-7.815 17.729,-7.417
  Keep-Out Layer lines w0.254: 18.771,-8.458 cw(c18.771,-7.417) 17.729,-7.417 17.729,-1.46 cw(c18.656,-1.46) 18.656,-0.533 29.567,-0.533 cw(c29.567,-1.396) 30.429,-1.396 30.429,-7.404 cw(c29.375,-7.404) 29.375,-8.458 18.771,-8.458
  silkscreen extent -0.5,-38.5 36.5,0, body extent -0.15,-33.42 36.3,-8.87, height 4.35
连接端子 [mm]
  round 1.4 / inner oval 1.4x1.3 / far side oval 1.4x1.3 hole 0.9 mask+0.102: 1(-2.537,1.091) 2(-0.86,1.091) 3(0.842,1.091) 4(2.543,1.091)

## Part data
0R 0R 10K 10K_1 10K_1 R1 R1_1 R1_2 R2 R2_1 R2_2 R3_1 R3_2 R4 R4_1 R4_2 R5 R5_1 R6 R6_1 R7 R7_1 R8 R9 R10 R10_1 R11 R11_1 R12 R13 R14 R14_1 R15 R15_1 R16 R17 R18 R19 R20 R21 R23: library part Res, "电阻"
1uF 104 C1 C1_1 C1_2 C1_3 C2 C2_1 C2_2 C2_3 C3 C3_1 C3_2 C3_3 C3_4 C4 C5 C6_1 C7 C7_1 C8_1 C9 C9_1 C10 C10_1 C11_1 C12 C12_1 C14 C14_1 C15 C27 C30 C31 C32 C33 C34 C35 C36 C37 C38 C39 C40 C41 C42 C43 C44 C45 C46 C48: library part Cap1, "无极贴片电容"
8M: library part 8M_XT-SMD3
_3: "USB转串口芯片"
_3: "排阻"
_3 _3 电源: "发光二极管"
_3: "排针"
C2_4 C4_1 C8 C13 C28 C29 C49 C50 C51 C52: library part "Pol Cap", "极性贴片电容"
C6 C11: library part Cap3, "直插极性电容"
D1_1 D3 D3_1 D4 D4_1 D5 D5_1 D6: library part Diode, "二极管"
D2: library part Diode
D2_1 LED1 LED2: library part LED, "发光二极管"
F1 F2 F3: library part Fuse, "保险丝"
J1: library part MX1.25-4P_1
J1_1 P2_1 P3_1 P4_1 P5_1 P6_1 P7_1 P10_1 P13_1: library part MX1.25-4P
L1 L2 L3: library part L, "电感"
LS1: "蜂鸣器"
P1 P2 P4 P9 P10 P11: library part 接线端子-4PIN, "4PIN"
P3 P8: library part 接线端子-6PIN, "6PIN"
P5: library part 接线端子-3PIN, "3PIN"
P6 P7: library part "Header 4X3"
P8_1: library part "Header 7", "排针"
P12 P13 P17: library part 接线端子-2PIN, "2PIN"
P14: library part 电源端子
P15: library part 推进器电源
Q1 Q2: "NPN三极管"
R3: library part Res-4, "排阻"
T1 T2 T3 T4 T5: library part 测试点, "测试点"
U1: library part ROV_Controler
U1_1: library part SPL13-001_1
U1_2: "3.3V电源芯片"
U2: library part "Raspberry Pi 外框"
U2_1: library part XC6206
U3: library part 电力载波模块6410

## Via types
v1: diameter 0.762, hole 0.381, Top Layer to Bottom Layer, 103 vias
v2: diameter 0.762, hole 0.406, Top Layer to Bottom Layer, 61 vias
v3: diameter 1.27, hole 0.711, Top Layer to Bottom Layer, 49 vias
v4: diameter 0.508, hole 0.254, Top Layer to Bottom Layer, 23 vias

## Nets (pads, with @x,y where several pads share a name; then routed paths per layer and width w, separated by ;. In a path a pad name is that pad's centre, name@x,y a point inside that pad or via, vN(x,y) a via of type N, cw(c..) or ccw(c..) an arc to the next point about the centre after c; other vN are vias at no path point)
3.3V: P1.1 P2.1 P8.1 P10.1 P11.1 R1.1 R2.1 T4.1 U1.18 U1.61 | length 292.9
  Top Layer w0.457: 240.653,202.858 240.676,202.835 240.676,200.192 241.046,199.822 261.957,199.822 ccw(c261.957,200.895) 263.03,200.895 R1.1@263.03,202.128
  Top Layer w0.508: U1.18@239.419,204.092 240.653,202.858
  Top Layer w0.762: v3(183.6,167.9) 183.6,165.365 184.237,164.728 P1.1@190.999,164.728 ; P2.1@190.999,201.203 183.684,201.203 cw(c183.684,201.295) v3(183.591,201.295) 183.591,220.523 cw(c186.131,220.523) 186.131,223.063 204.749,223.063 206.691,221.122 P8.1@217.364,221.122 257.211,221.122 272.161,206.172 ; P10.1@241.748,220.507 242.298,221.056 ; R2.1@263.005,204.338 R2.1@263.03,204.338 ; R1.1@263.03,202.128 R2.1@263.03,204.338 ; U1.61@274.01,204.12 274.01,204.323 272.161,206.172 ; R2.1@263.03,204.338 263.164,204.338 264.998,206.172 272.161,206.172
  Bottom Layer w0.762: v3(183.591,201.295) 183.566,201.27 183.9,200.935 183.6,200.635 v3(183.6,167.9) ; U1.61@274.01,204.12 287.06,204.12 cw(c287.06,201.58) 289.6,201.58 289.6,142.871 T4.1@285.998,139.268
5.0V: C1.2 C13.1 C14.2 D6.2 L3.2 P3.1 P4.1 P5.1 P5.2 P7.2 P12.1 R3.1 R13.2 T3.1 U1.19 | length 328.3
  Top Layer w0.508: R3.1@283.477,150.165 284.85,150.165 284.937,150.078
  Top Layer w0.762: v3(227.5,146.6) 227.579,146.521 P4.1@230.064,146.521 231.7,148.157 ; v3(228.9,161.9) 228.9,160.216 231.7,157.416 231.7,148.157 ; U1.19@236.879,204.092 236.879,205.262 ccw(c235.943,205.262) 235.943,206.197 233.434,206.197 ccw(c233.434,205.122) 232.359,205.122 232.359,199.246 ccw(c233.688,199.246) 233.688,197.917 238.915,197.917 238.941,197.942 239.951,197.942 239.976,197.917 266.699,197.917 cw(c266.699,195.377) 269.239,195.377 C13.1@269.239,193.167 ; P3.1@242.1,148.122 231.735,148.122 231.7,148.157 ; T3.1@282.588,139.268 287.12,143.8 P5.1@287.12,145.355
  Top Layer w1.27: R13.2@250.804,186.17 L3.2@259.156,186.17 ; v3@280.848,181.61 283.769,181.61 cw(c283.769,179.07) 286.309,179.07 286.309,161.392 283.794,158.877 283.794,154.407 284.937,153.264 284.937,150.078 284.937,145.186 ; P5.1@287.12,145.355 P5.2@287.12,147.895
  Top Layer w2.032: L3.2@259.156,185.135 ccw(c259.156,186.786) 260.688,186.17 ccw(c259.156,186.786) 260.807,186.786 260.807,190.627 cw(c263.347,190.627) 263.347,193.167 C13.1@269.239,193.167
  Bottom Layer w0.762: P12.1@198.525,165.423 196.741,165.423 187.198,155.88 187.198,140.665 ccw(c189.052,140.665) 189.052,138.811 205.537,138.811 ccw(c205.537,140.157) 206.883,140.157 206.883,142.9 ; P7.2@201.735,142.926 ccw(c201.76,142.926) 201.76,142.9 206.883,142.9 ; v3(227.5,146.6) 209.04,146.6 206.883,144.443 206.883,142.9 ; v3(228.9,161.9) 228.9,164.458 231.7,167.258 231.597,167.361 239.649,175.412 246.939,175.412 251.714,180.188 251.714,187.706 257.048,193.04 v3@266.624,193.04
  Bottom Layer w1.27: v3@266.7,192.634 266.7,184.175 ccw(c269.24,184.175) 269.24,181.635 282.194,181.635
  other v3: 280.848,181.686 265.125,191.694 266.751,191.694 265.125,193.192 266.751,193.192
12.0V: C8.1 C9.2 D4.2 F1.1 L2.2 P13.1 R3.3 R9.2 T2.1 | length 155.8
  Top Layer w0.508: R3.3@282.677,150.165 v3(282.677,153.086)
  Top Layer w0.762: 279.121,177.724 280.238,177.724 cw(c280.238,175.971) 281.991,175.971 281.991,153.772 v3(282.677,153.086)
  Top Layer w1.27: P13.1@198.574,201.416 222.402,201.416 cw(c222.402,198.876) 224.942,198.876 224.993,198.825 v3(224.993,183.54) ; v3(231.572,183.464) v3@253.009,183.464 ; R9.2@250.804,171.59 L2.2@260.452,171.59
  Top Layer w2.032: L2.2@260.452,171.59 260.452,174.447 264.566,178.562 C8.1@269.112,178.562
  Bottom Layer w0.762: T2.1@279.178,139.268 279.178,142.297 282.677,145.796 v3(282.677,153.086)
  Bottom Layer w1.27: v3(224.993,183.54) v3@231.343,183.54 ; v3(253.009,183.413) 263.271,183.413 cw(c263.271,180.873) 265.811,180.873 v3(265.811,178.384)
24.0V: F2.1 F3.1 L1.2 P6.2 U1.20 | length 69.5
  Top Layer w0.762: P6.2@201.735,218.44 208.66,218.44 cw(c208.66,215.9) 211.2,215.9 211.2,206.632 ccw(c213.74,206.632) 213.74,204.092 230.373,204.092 ccw(c230.373,204.987) 231.268,204.987 231.268,206.488 cw(c232.577,206.488) 232.577,207.797 v3(234.467,207.797) ; F3.1@228.955,185.877 228.955,204
  Bottom Layer w0.762: U1.20@234.339,204.092 234.467,204.221 v3(234.467,207.797)
BATTERY_24V: D1.1 P14.1 | length 38.5
  Bottom Layer w5.08: D1.1@189.2,185.5 197.9,185.5 204.9,192.5 204.9,202.2 198.711,208.389 P14.1@198.711,209.8